# Altium PCB uTCA_MCH_PCB3.pcbdoc (part 11 of 25) (continued)
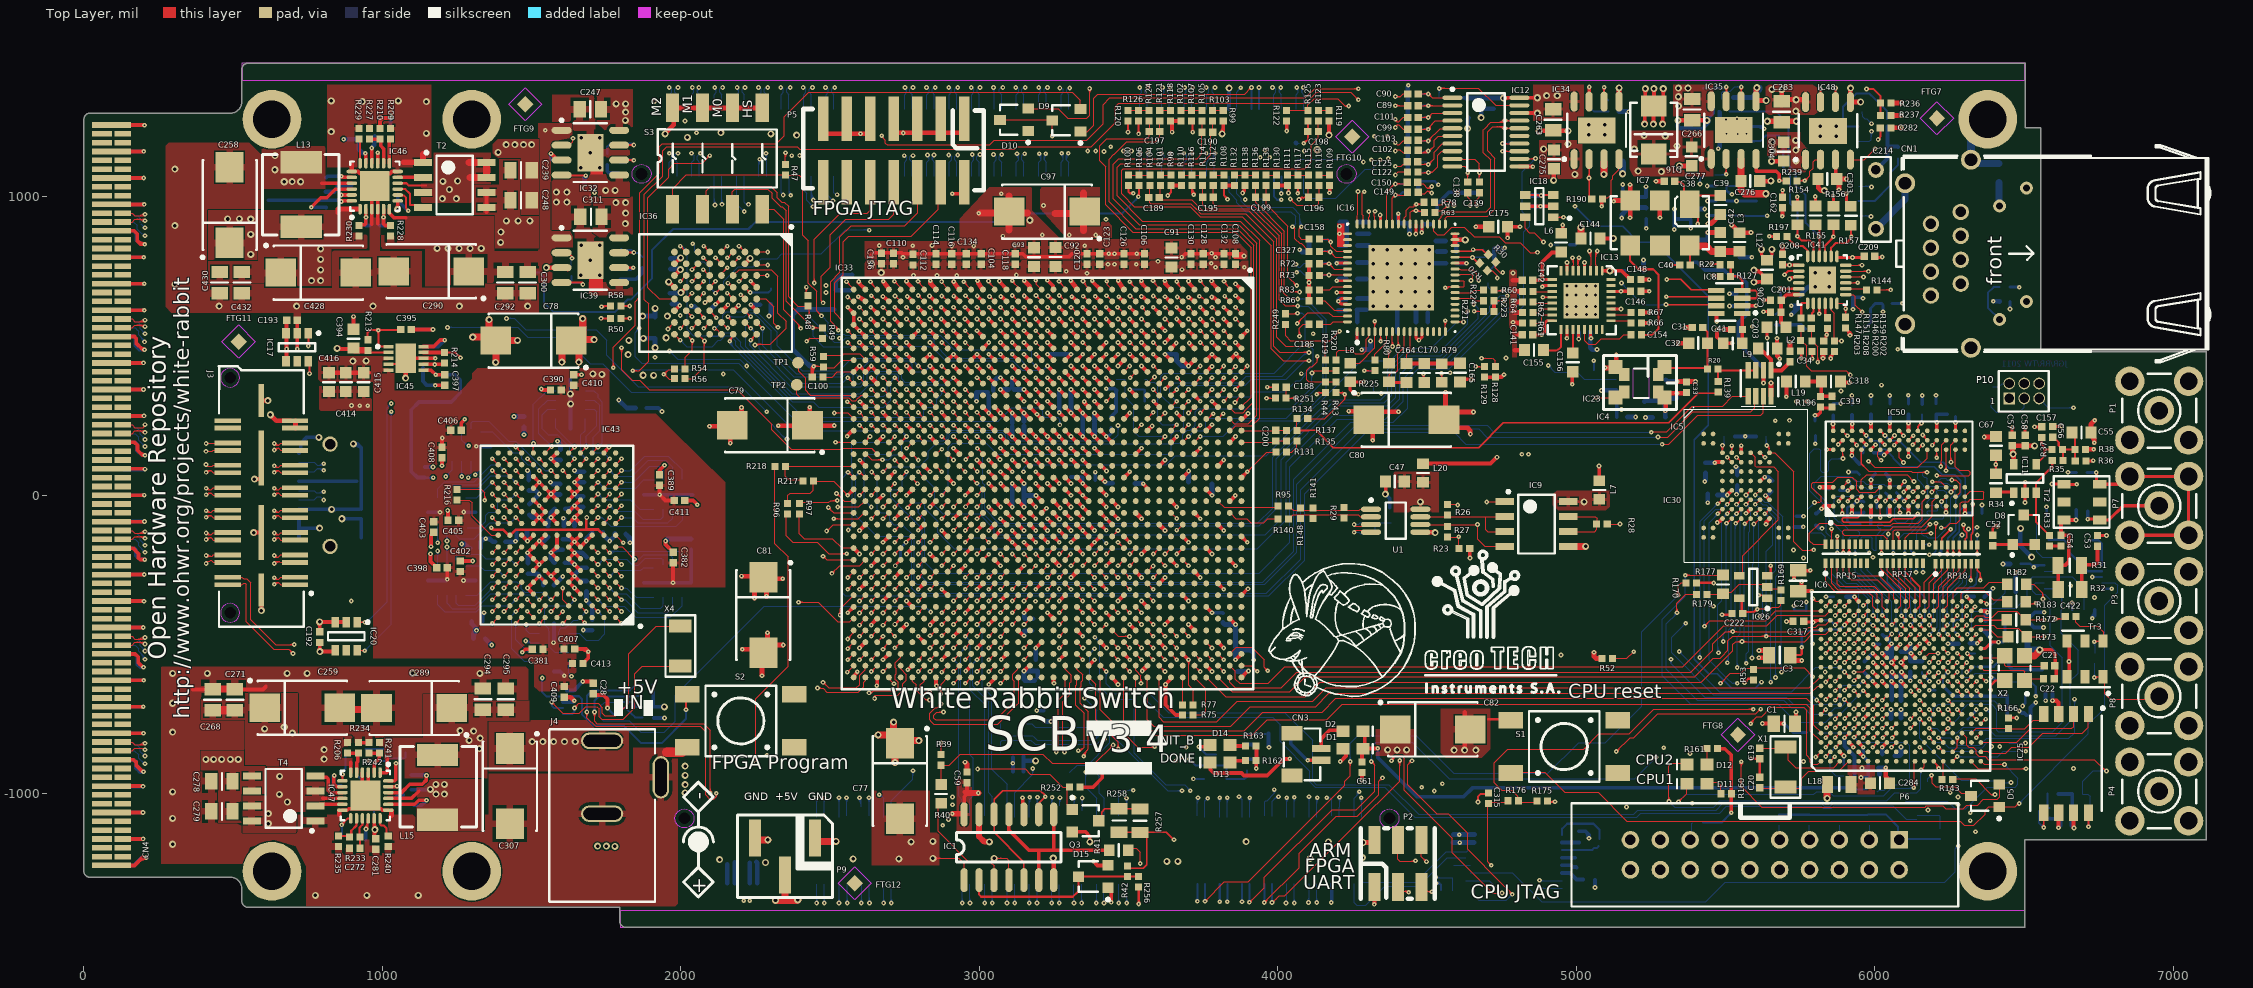
[diagram p0: Top Layer view]
## Nets (pads, with @x,y where several pads share a name; then routed paths per layer and width w, separated by ;. In a path a pad name is that pad's centre, name@x,y a point inside that pad or via, vN(x,y) a via of type N, cw(c..) or ccw(c..) an arc to the next point about the centre after c; other vN are vias at no path point) (continued)
  Top Layer w12.6: CN4.1@92.4,-1240.32 168.62,-1240.32 ; CN4.7@92.52,-1062.99 v1@197.72,-1062.99 ; CN4.10@92.52,-974.41 v1@197.09,-974.41 ; CN4.13@92.52,-885.83 166.53,-885.83 175.75,-895.04 175.75,-905.32 v1@194.65,-924.21 ; CN4.16@92.52,-797.24 v1@199.33,-797.24 ; CN4.19@92.52,-708.66 v1@198.94,-708.66 ; CN4.22@92.52,-620.08 v1@199.96,-620.08 ; CN4.25@92.52,-531.5 171.14,-531.5 181.93,-542.28 181.93,-560.83 188.42,-567.32 ; CN4.28@92.52,-442.91 v1@198.27,-442.91 ; CN4.31@92.52,-354.33 v1@200.71,-354.33 ; CN4.34@92.52,-265.75 v1@202.48,-265.75 ; CN4.37@92.52,-177.17 164.06,-177.17 182.6,-195.71 182.6,-209.8 188.46,-215.67 v1(204.25,-215.67) ; CN4.40@92.52,-88.58 v1@202.52,-88.58 ; CN4.43@92.52,0 v1@202.13,0 ; CN4.46@92.52,88.58 v1@203.58,88.58 ; CN4.49@92.52,177.17 170,177.17 179.53,167.64 179.53,150.43 195.98,133.98 v1(204.92,133.98) ; CN4.52@92.52,265.75 v1@201.38,265.75 ; CN4.55@92.52,354.33 v1@199.57,354.33 ; CN4.58@92.52,442.91 v1@198.94,442.91 ; CN4.61@92.52,531.5 169.76,531.5 175.04,526.22 175.04,509.72 197.36,487.4 v1(203.23,487.4) ; CN4.64@92.52,620.08 v1@203.11,620.08 ; CN4.67@92.52,708.66 v1@202.09,708.66 ; CN4.70@92.52,797.24 v1@200.51,797.24 ; CN4.73@92.52,885.83 168.15,885.83 178.46,875.51 178.46,852.17 ; CN4.76@92.52,974.41 v1@201.85,974.41 ; CN4.79@92.52,1062.99 v1@200.16,1062.99 ; CN4.82@92.52,1151.57 v1@200.39,1151.57 ; CN4.85@92.52,1240.16 v1@202.64,1240.16 ; CN4.4@129.92,-1151.57 v1@198.03,-1151.57 ; 169.25,-1240.16 196.69,-1212.72 v1@208.35,-1212.72 ; 184.05,-1225.36 cw(c209.06,-1250.36) v1@209.06,-1215 ; 186.98,142.98 ccw(c204.92,160.93) v1@204.92,135.55 ; 188.74,-567.32 v1@197.72,-576.3 ; 190.53,494.24 ccw(c203.23,506.94) v1@203.23,488.98 ; 192.06,-921.62 ccw(c199.45,-914.23) v1@199.45,-924.68 ; v1@203.48,842.4 cw(c202.11,875.8) 178.47,852.16 ; v1(203.54,840.83) 189.8,840.83 178.46,852.17 ; v2(568.9,-125) J3.34@594.49,-125 ; v2(570.87,54.13) J3.35@594.49,54.13 ; v2@572.8,-128.9 cw(c582.2,-138.31) 582.2,-125 cw(c582.2,-111.69) v2@572.8,-121.1 ; v2@574.76,50.24 cw(c584.17,40.83) 584.17,54.13 cw(c584.17,67.44) v2@574.76,58.03 ; v2@590.59,-382.91 ccw(c581.18,-373.51) 594.49,-373.51 ccw(c607.8,-373.5) v2@598.39,-382.91 ; v2(594.49,-386.81) J3.33@594.49,-317.5 ; J3.35@594.49,56.1 J3.35@594.49,125 ; J3.36@594.49,317.5 v2@615.57,317.5 ; J3.36@601.46,317.5 cw(c601.46,302.24) v2@612.24,313.03 ; 604.21,317.5 ccw(c604.21,328.86) v2@612.24,320.83 ; v1(714.57,490.16) C193.2@714.57,580.71 ; v2@785.47,-428.11 cw(c773.69,-439.9) 790.35,-439.9 ; v2(789.37,-424.21) IC20.2@878.94,-424.21 ; C192.2@790.35,-457.68 v2@790.35,-425.2 ; v2@793.27,-428.11 cw(c802.68,-437.52) 802.68,-424.21 cw(c802.68,-410.91) v2@793.27,-420.32 ; C394.1@903.54,553.15 v1(903.54,598.42) ; IC45.11@1093.66,458.66 v1(1177.16,458.66) IC45.8@1137.8,458.66 ; C395.1@1096.46,555.12 v1(1169.29,555.12) ; v1@1161.02,-196.85 1161.02,-221.65 C398.1@1181.89,-242.52 ; v1(1162.99,-172.05) 1162.99,-133.86 C403.1@1172.44,-124.41 ; v1(1177.17,368.11) C397.2@1208.66,368.11 ; v1(1200,98.82) C408.2@1200,125.2 ; C405.1@1220.08,-83.86 v1@1220.08,-52.36 ; C402.1@1260.63,-220.08 v1(1302.56,-220.08) ; C406.2@1264.57,217.72 1264.57,242.91 v1(1275.98,254.33) ; v1(1468.5,-525.98) 1478.35,-516.14 C381.2@1502.36,-516.14 ; IC43.C8@1505.91,-330.71 v1(1486.22,-311.02) v1(1525.59,-271.65) IC43.D7@1545.28,-291.34 ; IC43.M8@1505.91,23.62 v1(1525.59,43.31) ; IC43.N8@1505.91,62.99 v1(1525.59,43.31) ; v1(1532.28,355.91) 1535.43,352.76 C390.2@1563.39,352.76 ; v1@1533.4,357.02 ccw(c1543.69,367.31) 1543.69,352.76 ; IC43.E7@1545.28,-251.97 v1(1564.96,-271.65) ; IC43.L7@1545.28,-15.75 v1(1564.96,3.94) ; IC43.D6@1584.65,-291.34 v1(1564.96,-271.65) ; IC43.E6@1584.65,-251.97 v1(1564.96,-271.65) ; IC43.F6@1584.65,-212.6 v1(1564.96,-192.91) IC43.G6@1584.65,-173.23 IC43.H6@1584.65,-133.86 ; IC43.J6@1584.65,-94.49 v1(1564.96,-74.8) IC43.K6@1584.65,-55.12 ; IC43.L6@1584.65,-15.75 v1(1564.96,3.94) ; IC43.M6@1584.65,23.62 v1(1564.96,3.94) ; IC43.E5@1624.02,-251.97 v1@1641.73,-269.68 ; IC43.L5@1624.02,-15.75 1645.67,5.91 IC43.M4@1663.39,23.62 v1(1643.7,43.31) IC43.N4@1663.39,62.99 ; IC43.M5@1624.02,23.62 v1(1643.7,3.94) ; C410.2@1641.34,403.94 v1@1666.93,403.94 ; C407.2@1644.09,-515.35 1681.89,-515.36 v1@1690.16,-523.62 ; IC43.C4@1663.39,-330.71 v1(1643.7,-311.02) IC43.D5@1624.02,-291.34 v1(1643.7,-271.65) IC43.D4@1663.39,-291.34 ; 1664.1,-515.36 cw(c1664.1,-550.07) v1@1688.65,-525.52 ; v1(1671.26,-624.02) C28.1@1704.72,-624.02 ; C413.2@1672.05,-563.39 1689.76,-545.67 v1(1689.76,-524.41) ; IC43.R2@1742.13,143.7 v1(1759.41,160.98) ; C389.2@1928.35,68.5 1928.35,83.86 v1(1944.88,100.39) ; v1(1948.82,-153.54) 1948.82,-165.35 C382.2@1974.41,-190.94 ; v2@1958.66,709.06 cw(c1958.66,691) IC36.H4@1971.43,703.77 ; v2@1960.63,714.57 IC36.H4@1978.35,696.85 ; IC36.H6@1978.35,618.11 v1(1996.06,635.83) ; IC36.H2@1978.35,775.59 v2@1998.03,795.28 ; 1987.95,785.19 cw(c1998.98,774.16) v2@1998.98,789.76 ; C411.2@2012.8,-17.72 2041.34,-17.72 v1(2055.12,-31.5) ; IC36.B2@2214.57,775.59 v2(2232.28,793.31) ; v2@2226.77,793.31 cw(c2213.47,793.31) 2222.87,783.9 cw(c2232.28,774.49) v2@2232.28,787.8 ; v1(2559.06,-393.7) IC33.AP28@2578.74,-374.02 ; v1(2559.06,0) IC33.AP18@2578.74,19.69 ; v1(2559.06,629.92) IC33.AP3@2578.74,610.24 IC33.AP4@2578.74,570.87 ; IC33.AP34@2578.74,-610.24 2578.74,-606.3 v1@2590.55,-594.49 ; IC33.AP8@2578.74,413.39 v1(2598.43,433.07) IC33.AN8@2614.17,417.32 ; IC33.AP4@2582.68,566.93 v1(2598.43,551.18) IC33.AN5@2618.11,531.5 ; 2585.77,-599.26 ccw(c2578.05,-591.54) v1@2588.98,-591.54 ; v1@2595.25,716.16 2595.25,711.84 IC33.AN1@2618.11,688.98 ; v1@2597.32,716.01 ccw(c2612.41,716.01) 2601.74,705.34 ; v1(2598.43,-511.81) IC33.AN31@2618.11,-492.13 ; v1(2598.43,-118.11) IC33.AN21@2618.11,-98.43 ; v1(2600.39,312.99) IC33.AN11@2618.11,295.28 ; IC33.AN8@2618.11,413.39 v1(2637.8,433.07) IC33.AM8@2653.54,417.32 ; v1@2637.76,472.48 IC33.AM7@2657.48,452.76 ; v1(2637.8,-236.22) IC33.AM24@2657.48,-216.54 ; v1@2637.8,590.55 IC33.AM4@2657.48,570.87 ; v1@2657.48,-636.81 IC33.AM34@2657.48,-610.24 ; IC33.AM14@2657.48,177.17 v1(2677.17,196.85) ; v1(2677.17,-354.33) IC33.AL27@2696.85,-334.65 ; v1(2677.17,472.44) IC33.AL7@2692.91,456.69 ; v1(2677.17,551.18) IC33.AL5@2696.85,531.5 ; IC33.AL17@2696.85,59.06 v1(2716.54,78.74) ; v1(2716.54,-78.74) IC33.AK20@2736.22,-59.06 ; v1(2716.54,472.44) IC33.AK7@2736.22,452.76 ; v1(2716.54,590.55) IC33.AK4@2736.22,570.87 ; v1(2716.54,629.92) IC33.AK3@2736.22,610.24 ; IC33.AK30@2736.22,-452.76 v1(2755.91,-433.07) ; v1@2755.46,717.62 2755.46,714.62 2775.59,694.49 IC33.AJ1@2775.59,688.98 ; v1@2755.91,236.22 IC33.AJ13@2775.59,216.54 ; v1(2755.91,472.44) IC33.AJ7@2771.65,456.69 ; v1@2757.23,717.42 ccw(c2768.28,717.42) 2760.47,709.61 ; v1@2757.87,-194.88 IC33.AJ23@2775.59,-177.17 ; v1@2758.73,666.46 IC33.AJ2@2775.59,649.61 ; v1@2763.27,-582.56 IC33.AJ33@2774.96,-570.87 ; IC33.AJ5@2775.59,531.5 v1(2795.28,551.18) ; v1(2795.28,-314.96) IC33.AH26@2814.96,-295.28 ; v1(2795.28,590.55) IC33.AH4@2814.96,570.87 ; IC33.AH16@2814.96,98.43 v1(2834.65,78.74) ; IC33.AH7@2814.96,452.76 v1@2833.7,471.5 ; v1(2833.86,471.5) IC33.AG7@2852.2,453.15 ; v1(2834.65,-39.37) IC33.AG19@2854.33,-19.68 ; v1(2834.65,393.7) IC33.AG9@2854.33,374.02 ; v1(2834.65,551.18) IC33.AG5@2854.33,531.5 ; v1(2835,-435) 2835,-433.43 2834.65,-433.07 IC33.AG29@2854.33,-413.39 ; v1(2874.02,-551.18) IC33.AF32@2893.7,-531.5 ; v1(2874.02,-118.11) IC33.AF22@2893.7,-137.8 ; v1@2874.02,275.59 IC33.AF12@2893.7,255.91 ; v1@2874.02,590.55 IC33.AF4@2893.7,570.87 ; v1@2874.2,629.73 IC33.AF3@2893.7,610.24 ; IC33.AF7@2893.7,452.76 v1(2913.39,472.44) IC33.AE7@2929.13,456.69 ; v1(2913.39,157.48) IC33.AE15@2933.07,137.8 ; v1(2913.39,551.18) IC33.AE5@2933.07,531.5 ; v1@2913.81,668.87 IC33.AE2@2933.07,649.61 ; IC33.AE25@2933.07,-255.91 v1(2952.76,-236.22) ; v1@2952.76,-393.7 IC33.AD28@2972.44,-374.02 ; v1(2952.76,0) IC33.AD18@2972.44,19.69 ; v1@2952.76,590.55 IC33.AD4@2972.44,570.87 ; IC33.AD7@2972.44,452.76 v1(2992.13,472.44) IC33.AC7@3007.87,456.69 ; v1(2992.13,-511.81) IC33.AC31@3011.81,-492.13 ; v1(2992.13,-118.11) IC33.AC21@3011.81,-98.43 ; v1(2992.13,551.18) IC33.AC5@3011.81,531.5 ; IC33.AC11@3015.75,291.34 v1(3031.5,275.59) IC33.AB12@3051.18,255.91 ; v1(3031.5,-633.86) 3051.18,-614.17 IC33.AB34@3051.18,-610.24 ; v1(3031.5,-39.37) IC33.AB20@3051.18,-59.06 ; v1(3031.5,39.37) IC33.AB18@3051.18,19.69 ; v1(3031.5,118.11) IC33.AB16@3051.18,98.43 ; v1(3031.5,196.85) IC33.AB14@3051.18,177.17 ; v1(3031.5,590.55) IC33.AB4@3051.18,570.87 ; v1@3031.5,629.92 IC33.AB3@3051.18,610.24 ; v1(3031.54,472.44) IC33.AB7@3051.18,452.76 ; v1(3031.73,433.15) IC33.AB8@3051.18,413.7 ; IC33.AB24@3051.18,-216.54 v1(3070.87,-236.22) ; IC33.AB22@3051.18,-137.8 v1(3070.87,-118.11) ; v1@3068.59,718.03 ccw(c3078.1,718.03) 3071.38,711.31 ; v1@3069.31,713.38 IC33.AA1@3092.93,689.76 ; v1(3070.87,-78.74) IC33.AA21@3090.55,-98.43 ; v1(3070.87,393.7) IC33.AA9@3090.55,374.02 ; v1(3070.87,472.44) IC33.AA7@3086.61,456.69 ; v1(3070.87,551.18) IC33.AA5@3090.55,531.5 ; v1(3070.94,78.7) IC33.AA17@3090.55,59.06 ; v1@3071.06,157.28 IC33.AA15@3090.55,137.8 ; v1@3071.26,-353.94 IC33.AA27@3090.55,-334.65 ; v1@3071.82,664.26 cw(c3071.82,654.4) 3078.79,661.37 ; v1@3073.61,666.54 IC33.AA2@3090.55,649.61 ; IC33.AA19@3090.55,-19.68 v1(3110.24,-39.37) ; IC33.AA13@3094.49,212.6 v1(3110.24,196.85) IC33.Y14@3129.92,177.17 ; IC33.AA11@3094.49,291.34 v1(3110.24,275.59) IC33.Y12@3129.92,255.91 ; v1(3110.24,-118.11) IC33.Y22@3125.98,-133.86 ; v1(3110.24,39.37) IC33.Y18@3125.98,23.62 ; v1(3110.24,118.11) IC33.Y16@3125.98,102.36 ; v1(3110.24,433.07) IC33.Y8@3129.92,413.39 ; v1(3110.24,472.44) IC33.Y7@3129.92,452.76 ; v1(3110.24,511.81) IC33.Y6@3129.92,492.13 ; v1(3110.24,551.18) IC33.Y5@3129.92,531.5 ; v1(3110.24,590.55) IC33.Y4@3129.92,570.87 ; IC33.Y30@3129.92,-452.76 v1@3149.6,-472.43 ; IC33.Y20@3129.92,-59.06 v1@3149.45,-78.58 ; IC33.Y10@3129.92,334.65 v1(3149.61,314.96) ; v1(3149.61,-588.58) IC33.W33@3167.32,-570.87 ; v1(3149.61,-157.48) IC33.W23@3169.29,-177.17 ; v1(3149.61,393.7) IC33.W9@3169.29,374.02 ; v1(3149.61,472.44) IC33.W7@3165.35,456.69 ; v1(3149.61,551.18) IC33.W5@3169.29,531.5 ; v1@3150.16,156.93 IC33.W15@3169.29,137.8 ; IC33.W21@3169.29,-98.43 v1(3188.98,-118.11) ; IC33.W19@3169.29,-19.68 v1(3188.98,-39.37) ; IC33.W13@3173.23,212.6 v1(3188.98,196.85) IC33.V14@3208.66,177.17 ; IC33.W11@3173.23,291.34 IC33.V12@3208.66,255.91 ; v1(3188.98,-314.96) IC33.V26@3208.66,-295.28 ; v1(3188.98,118.11) IC33.V16@3204.72,102.36 ; v1(3188.98,354.33) IC33.V10@3208.66,334.65 ; v1(3188.98,590.55) IC33.V4@3208.66,570.87 ; v1(3188.98,629.92) IC33.V3@3208.66,610.24 ; v1(3189.45,472.6) IC33.V7@3208.66,453.39 ; IC33.V20@3208.66,-59.06 v1@3223.98,-43.74 ; IC33.V22@3209.17,-137.8 v1(3228.66,-157.28) ; v1@3227.54,720.65 3246.57,701.62 IC33.U1@3246.57,685.71 ; v1(3228.31,314.88) IC33.U11@3247.91,295.28 ; v1(3228.35,393.7) IC33.U9@3248.03,374.02 ; v1(3228.35,472.44) IC33.U7@3244.09,456.69 ; v1(3228.35,551.18) IC33.U5@3248.03,531.5 ; v1(3228.39,-78.78) IC33.U21@3248.03,-98.43 ; v1@3228.43,157.4 IC33.U15@3248.03,137.8 ; v1@3228.52,-393.88 IC33.U29@3248.03,-413.39 ; v1@3229.44,668.2 IC33.U2@3248.03,649.61 ; IC33.U19@3248.03,-19.68 v1@3267.72,-39.37 ; IC33.U13@3251.97,212.6 v1(3267.72,196.85) IC33.T14@3287.4,177.17 ; v1(3267.72,-551.18) IC33.T32@3287.4,-531.5 ; v1(3267.72,-118.11) IC33.T22@3283.46,-133.86 ; v1@3267.72,-40.35 v1@3270.2,-42.83 ; v1(3267.72,118.11) IC33.T16@3283.46,102.36 ; v1(3267.72,354.33) IC33.T10@3287.4,334.65 ; v1(3267.72,590.55) IC33.T4@3287.4,570.87 ; v1@3267.8,277.36 IC33.T12@3287.4,257.76 ; IC33.T20@3287.4,-59.06 v1@3307.05,-78.7 ; IC33.T8@3287.4,413.39 v1(3307.09,393.7) IC33.R9@3326.77,374.02 ; IC33.T7@3287.4,452.76 v1(3307.09,472.44) ; v1(3307.09,551.18) IC33.R5@3326.77,531.5 ; v1@3307.17,157.4 IC33.R15@3326.77,137.8 ; IC33.R23@3326.77,-177.17 v1(3346.46,-196.85) ; IC33.R21@3326.77,-98.43 v1(3346.46,-118.11) IC33.P22@3362.2,-133.86 ; IC33.R19@3326.77,-19.68 v1(3346.46,-39.37) IC33.P20@3366.14,-59.06 ; IC33.R17@3326.77,59.06 v1(3346.46,39.37) IC33.P18@3362.2,23.62 ; IC33.R11@3326.77,295.28 v1@3345.47,276.57 ; IC33.R7@3326.85,452.76 v1(3346.5,472.4) ; IC33.R13@3330.71,212.6 v1(3346.46,196.85) IC33.P14@3366.14,177.17 ; v1(3346.46,118.11) IC33.P16@3362.2,102.36 ; v1(3346.46,275.59) IC33.P12@3366.14,255.91 ; v1(3346.46,354.33) IC33.P10@3366.14,334.65 ; v1(3346.46,590.55) IC33.P4@3366.14,570.87 ; v1(3346.46,629.92) IC33.P3@3366.14,610.24 ; IC33.P28@3366.14,-374.02 v1(3385.83,-393.7) ; IC33.P7@3366.14,452.76 v1(3385.83,472.44) ; v1@3379.6,714.89 IC33.N1@3405.51,688.98 ; v1(3385.83,157.48) IC33.N15@3405.51,137.8 ; v1(3385.83,314.96) IC33.N11@3405.51,295.28 ; v1(3385.83,393.7) IC33.N9@3405.51,374.02 ; v1(3385.83,433.07) IC33.N8@3405.51,413.39 ; v1(3385.83,551.18) IC33.N5@3405.51,531.5 ; v1@3388.99,666.12 IC33.N2@3405.51,649.61 ; IC33.N31@3405.51,-492.13 v1@3424.8,-511.42 ; IC33.N19@3405.51,-19.68 v1@3423.23,-37.4 ; IC33.N17@3405.51,59.06 v1@3420.49,44.08 ; IC33.N7@3405.51,452.76 v1@3425,472.24 ; IC33.N21@3405.83,-98.43 v1@3424.96,-117.56 ; IC33.N13@3409.45,212.6 v1(3425.2,196.85) IC33.M14@3444.88,177.17 ; v1(3425.2,-236.22) IC33.M24@3444.88,-216.54 ; v1(3425.2,590.55) IC33.M4@3444.88,570.87 ; IC33.M34@3444.88,-612.2 v1@3464.57,-631.89 ; IC33.M7@3444.88,452.76 v1@3464.45,472.32 ; IC33.M20@3445.08,-59.06 v1(3464.53,-78.5) ; v1(3464.57,-354.33) IC33.L27@3484.25,-334.65 ; v1(3464.57,433.07) IC33.L7@3484.25,452.76 ; v1(3464.57,551.18) IC33.L5@3484.25,531.5 ; IC33.L17@3484.58,59.06 v1(3504.1,78.58) ; v1(3503.94,-433.07) IC33.K30@3523.62,-452.76 ; v1(3503.94,354.33) IC33.K10@3523.62,334.65 ; v1(3503.94,590.55) IC33.K4@3523.62,570.87 ; v1(3503.94,629.92) IC33.K3@3523.62,610.24 ; v1@3504.25,472.13 IC33.K7@3523.62,452.76 ; v1@3541.5,666.82 3545.78,666.82 IC33.J2@3562.99,649.61 ; v1@3542.69,664.46 cw(c3542.69,651.29) 3552,660.6 ; v1@3542.72,718.54 3542.72,710.23 IC33.J1@3562.99,689.96 ; v1(3543.31,-196.85) IC33.J23@3562.99,-177.17 ; v1(3543.31,433.07) IC33.J8@3562.99,413.39 ; v1(3543.31,472.44) IC33.J7@3559.06,456.69 ; v1(3543.31,551.18) IC33.J5@3562.99,531.5 ; v1@3544.26,718.75 ccw(c3568.56,718.75) 3551.38,701.57 ; IC33.J13@3562.99,216.54 v1(3578.74,232.28) ; v1(3582.67,472.44) IC33.H7@3602.36,452.76 ; IC33.H26@3602.36,-295.28 v1(3622.05,-275.59) ; IC33.H16@3602.36,98.43 v1(3622.05,118.11) ; IC33.H4@3602.36,570.87 v1(3622.05,551.18) ; v1@3621.39,718.12 3621.39,709.32 IC33.G1@3641.73,688.98 ; v1(3622.05,-433.07) IC33.G29@3641.73,-413.39 ; v1(3622.05,472.44) IC33.G7@3637.8,456.69 ; v1(3622.05,511.81) IC33.G5@3641.73,531.5 ; v1@3623.03,718.54 ccw(c3649.27,718.54) 3630.72,699.99 ; IC33.G19@3641.73,-19.68 v1(3661.42,-39.37) ; R98.1@3641.73,1037.4 R110.1@3676.18,1037.4 ; R118.1@3644.92,1253.94 R102.1@3675.2,1253.94 ; v1(3645.67,1216.54) R118.1@3645.67,1248.03 ; v1(3661.42,275.59) IC33.F12@3681.1,255.91 ; v1(3661.42,590.55) IC33.F4@3681.1,570.87 ; v1(3661.42,629.92) IC33.F3@3681.1,610.24 ; IC33.F32@3681.1,-531.5 v1(3700.79,-551.18) ; IC33.F22@3681.1,-137.8 v1(3700.79,-157.48) ; IC33.F7@3681.1,452.76 v1(3700.79,433.07) IC33.E7@3720.47,452.76 ; v1@3699.68,716.45 cw(c3693.89,708.98) 3703.34,708.98 ; v1(3700.79,551.18) IC33.E5@3720.47,531.5 ; v1@3700.85,662.14 cw(c3700.85,651.72) 3708.22,659.08 ; v1@3702.1,664.86 3702.44,664.86 3717.69,649.61 IC33.E2@3720.47,649.61 ; v1@3702.21,717.69 ccw(c3719.51,717.69) 3707.28,705.46 ; v1@3703.34,716.78 3703.34,709.4 3719.99,692.75 IC33.E1@3719.99,688.39 ; IC33.E25@3720.47,-255.91 v1(3740.16,-275.59) ; IC33.E15@3720.47,137.8 v1(3740.16,157.48) ; v1(3740.16,590.55) IC33.D4@3759.84,570.87 ; IC33.D28@3759.84,-374.02 v1(3779.53,-393.7) ; IC33.D18@3759.84,19.69 v1(3779.53,0) ; IC33.D8@3759.84,413.39 v1@3779.52,433.06 ; IC33.D7@3763.78,456.69 v1(3779.53,472.44) IC33.C7@3799.21,452.76 ; v1@3776.7,716.78 cw(c3772.37,709.72) 3780.65,709.72 ; v1@3779.09,718.12 ccw(c3794.17,718.12) 3783.51,707.46 ; v1(3779.53,314.96) IC33.C11@3799.21,295.28 ; v1(3779.53,551.18) IC33.C5@3799.21,531.5 ; v1@3780.65,716.94 3780.65,710.32 3798.09,692.88 IC33.C1@3798.09,686.8 ; IC33.C31@3799.21,-492.13 v1(3818.9,-511.81) ; IC33.C21@3799.21,-98.43 v1(3818.9,-118.11) ; v2@3809.09,1214.53 ccw(c3790.18,1233.44) 3816.93,1233.44 ; v2@3816.93,1214.57 3816.93,1242.13 ; v1(3818.9,590.55) IC33.B4@3838.58,570.87 ; v1(3818.9,629.92) IC33.B3@3838.58,610.24 ; R108.1@3818.9,1037.4 R132.1@3856.3,1037.4 ; IC33.B24@3838.58,-216.54 v1(3858.27,-236.22) ; IC33.B14@3838.58,177.17 v1(3858.27,196.85) ; IC33.B7@3842.52,456.69 3858.27,472.44 IC33.A7@3877.95,452.76 ; v1(3858.27,511.81) IC33.A6@3877.95,492.13 ; v1@3858.84,668.71 IC33.A2@3877.95,649.61 ; v1@3858.84,708.09 IC33.A1@3877.95,688.98 ; v1@3861.57,474 ccw(c3873.32,474) 3865.02,465.69 ; IC33.A34@3877.95,-610.24 v1@3897.64,-590.55 ; IC33.A17@3877.95,59.06 v1@3897.59,78.7 ; IC33.A5@3877.95,531.5 v1@3897.15,550.69 ; R130.1@3996.06,1037.4 R111.1@4034.45,1037.4 ; v1(4029.53,1220.47) 4029.53,1242.13 ; v1(4100.39,-887.8) CN3.1@4145.67,-887.8 ; R86.1@4104.33,651.57 R83.1@4104.33,687.01 R72.2@4104.33,775.59 ; v2@4167.36,1210.59 ccw(c4157.95,1220) 4171.26,1220 ccw(c4184.57,1220) v2@4175.16,1210.59 ; v2(4171.26,1206.69) 4171.26,1242.13 ; v1(4281.5,-954.72) C61.1@4281.5,-929.13 ; C165.1@4614.56,388.71 v1@4645.8,388.71 ; v1(4769.69,862.2) C175.2@4769.69,899.61 v1(4811.02,899.61) ; IC12.11@4809.06,1101.38 v1@4853.35,1101.38 ; IC18.5@4828.74,968.5 v1(4879.92,968.5) IC18.2@4915.35,968.5 ; C146.1@5216.54,683.07 v1(5244.09,683.07) ; R66.2@5218.5,576.77 5239.77,576.77 v1@5240,577 ; R67.2@5218.5,612.2 5239.8,612.2 5240,612 5240.18,612.18 v1(5244.77,612.18) ; C148.1@5220.47,722.44 v1(5244.09,722.44) ; IC8.8@5469.06,608.9 5469.06,582.94 v1(5470,582) ; v1@5471.66,-90.06 ccw(c5471.66,-76.72) 5481.09,-86.15 ; v1@5475.61,-91.63 IC30.K3@5489.39,-77.85 ; IC30.C5@5552.38,142.62 v1(5552.38,166.24) ; IC30.F7@5615.37,48.13 v1(5631.02,60.75) ; v1@5627.45,-765.11 v1(5694.92,-765.11) ; v1(5635.06,-97.54) 5635.06,-91.19 5646.87,-79.38 IC30.K8@5646.87,-77.85 ; v1@5636.63,-97.54 cw(c5655.75,-97.54) IC30.K8@5642.23,-84.02 ; v1@5729.18,-283.37 C2.1@5729.18,-261.62 ; C2.1@5742.42,-252.79 v1@5784.33,-252.79 ; IC6.C2@5882.6,-859.7 v1(5896.38,-873.48) ; C318.1@5894.49,377.51 v1@5914.94,377.51 ; IC6.D3@5914.09,-828.2 v1@5929.84,-843.95 ; v1(5992.83,-623.48) IC6.G9@6008.58,-639.23 ; v1(6024.33,-623.48) IC6.H9@6040.08,-639.23 ; v1(6024.33,-528.99) IC6.H12@6040.08,-544.74 ; v1@6026.3,-593.95 IC6.H10@6040.08,-607.73 ; IC6.H13@6040.08,-513.24 v1(6055.81,-497.49) ; v1(6055.83,-623.48) IC6.J9@6071.58,-639.23 ; v1@6055.83,-591.98 IC6.J10@6071.58,-607.73 ; IC6.J12@6071.42,-544.9 v1(6055.83,-560.49) IC6.J11@6071.58,-576.24 ; IC6.J13@6071.58,-513.24 v1(6085.35,-499.46) ; v1(6087.32,-560.49) IC6.K11@6103.07,-576.24 ; v1@6087.32,-560.21 IC6.K12@6103.31,-544.23 ; v1@6665.59,-1113.59 IC25.7@6665.59,-1059.08 ; v1(1525.59,43.31) IC43.M7@1545.28,23.62 v1(1564.96,3.94)
  Top Layer w15.75: 855.04,-1070.75 IC47.12@855.04,-1057.36 ; IC46.19@897.64,1087.52 897.64,1113.27 ; 1030.71,-1073.11 IC47.19@1030.71,-1056.85 ; v2@1074.7,395.26 ccw(c1064.93,405.03) 1078.74,405.03 ; v2@1078.74,393.74 IC45.11@1078.74,458.66 ; C409.2@1609.45,-676.38 1630.63,-676.38 v1@1642.2,-687.95 ; v2@1949.17,1213.9 1975.87,1240.59 1975.87,1297.64 S3.7@2072.44,1297.64 S3.6@2172.44,1297.64 S3.5@2272.44,1297.64 ; v1(2095.87,231.06) C79.2@2131.3,231.06 ; v1(2165.28,174.61) C79.2@2165.28,192.05 ; C79.2@2203.11,259.69 v1@2203.11,294.01 ; v1(2205.28,-516.1) C81.2@2239.02,-516.1 ; v1(2272.01,-604.8) C81.2@2272.01,-564.21 ; C81.2@2290.47,-484.72 v1(2290.47,-460.79) ; C81.2@2315.51,-501.65 v1(2343.27,-501.65) ; P5.13@2468.5,1210.63 P5.9@2624.21,1210.63 ; v1(2594.48,665.35) IC33.AN2@2618.31,650.32 ; v1@2678.12,715.57 2681.1,712.6 IC33.AL1@2696.5,690.39 ; P5.7@2710.75,1214.57 P5.1@2941.57,1214.57 ; v1@2835.2,718.93 2835.2,710.35 2855.49,690.06 IC33.AG1@2855.49,687.33 ; v1(2835.51,718.93) ccw(c2856.97,718.93) 2841.8,703.75 ; v1@2913.24,715.55 IC33.AE1@2932.2,689.68 ; C59.1@2958.78,-927.44 2958.78,-900.78 v1(2952,-894) ; 2958.78,-910.37 ccw(c2935.63,-910.37) v1(2952,-894) ; 2958.78,-903.59 ccw(c2948.61,-903.59) v1(2952,-894) ; v1@2996.06,712.6 IC33.AC1@3010.98,689.06 ; v1@3150.65,718.33 3169.21,699.77 IC33.W1@3169.21,690.35 ; v2@3244.68,-1218.2 cw(c3234.22,-1228.67) 3249.02,-1228.67 ; v2@3248.03,-1216.54 3249.02,-1217.52 IC1.7@3249.02,-1289.25 ; v1@3307.36,-275.59 IC33.R25@3327.8,-255.16 ; v1@3308.24,716.5 IC33.R1@3326.81,690.35 ; v1@3465.63,716.83 IC33.L1@3481.85,692.87 ; IC33.K20@3523.62,-59.06 v1(3543.31,-78.74) ; v1@3545.51,-588.35 IC33.J33@3562.99,-570.87 ; v2(4285.43,-1163.39) 4321.58,-1163.39 P2.2@4326.05,-1158.92 ; U1.5@4477.4,-123.68 v2@4525.72,-123.68 ; C80.2@4561.26,287.72 v1(4561.26,344.87) ; C80.2@4593.46,225.63 4635.35,225.63 ; 4608.58,278.66 v1(4655.12,278.66) ; v2(4625.67,-853.66) 4625.67,-727.68 ; 4635.35,226.14 4644.91,216.59 v1(4644.91,205.08) ccw(c4617.11,205.08) 4636.76,224.73 ; 4787.36,720.47 C142.1@4818.9,720.47 ; v1(4787.39,651.57) ccw(c4796.89,661.07) 4796.89,647.64 ; 4789.25,612.2 R62.2@4818.9,612.2 ; v1@4790.63,647.64 R64.2@4818.9,647.64 ; 4791.57,683.07 R60.2@4818.9,683.07 ; 4792.8,537.4 C141.1@4818.9,537.4 ; v1@4792.8,576.77 R61.2@4818.9,576.77 ; 4793.54,486.22 C155.2@4826.77,486.22 ; v2(4875,1221) v2(4972,1221) ; v2(4924,1055) 4924,1092.46 C275.2@4925.39,1093.86 ; v1@5096.69,426.44 5133.78,426.44 v1@5133.78,469.83 ; v1@5127.12,987.12 IC7.3@5180.25,987.12 ; IC34.5@5142.8,1318.83 v2@5142.8,1365.2 ; v1@5180.25,930.25 IC7.3@5180.25,987.12 ; v1@5180.25,1039.75 IC7.3@5180.25,987.12 ; v1(5267,1052) C38.1@5294.09,1052.01 ; v1@5337.85,380.74 v1@5398.3,380.74 ; v2(5340,1256) v2(5437,1256) ; v1@5341.59,509.41 C32.1@5376.69,509.41 ; v2(5345,1103) C277.2@5385.31,1103 ; v1@5365.05,562.05 C31.1@5388.15,562.05 ; v1(5440,880) 5481.97,880 C42.2@5482.13,879.84 ; 5459.69,918.16 cw(c5440,937.85) v1(5440,910) 5451.54,910 C39.1@5482.4,940.87 ; v1(5494,555) 5494.16,555.16 C41.1@5520.79,555.16 ; IC35.5@5600.86,1322.19 IC35.5@5601.59,1322.19 ; IC35.5@5601.86,1319.87 5601.57,1320.15 IC35.5@5601.59,1322.19 ; IC35.5@5601.86,1349.96 cw(c5620.22,1349.79) v2@5607.36,1362.89 ; v2@5601.98,1362.79 IC35.5@5601.59,1322.19 ; v1@5611.5,-544 C3.1@5638,-544 ; v1(5612.12,-519.98) C3.1@5638.65,-519.98 ; C276.1@5614.53,1052.4 v2@5650.4,1052.4 ; v2(5635.57,1322.46) 5635.31,1322.19 IC35.5@5601.59,1322.19 ; v1(5652,376) 5652.17,375.83 IC5.8@5652.17,331.69 ; v2(5654,1119) C304.2@5694.31,1119 ; v1(5715,513) 5715.51,512.49 C34.1@5715.51,482.32 ; C303.1@5810.4,1052.15 5810.4,1029.47 5819.91,1019.96 v2@5829.76,1019.96 ; v1@5816.9,26.72 IC50.A3@5860.67,26.72 ; v2@5917.86,1367.36 IC48.5@5917.86,1317.19 5952.31,1317.19 v2(5952.57,1317.46) ; v1(6036.14,-912.85) 6036.14,-943.36 6046.06,-953.28 6052.15,-953.28 C284.1@6046.61,-958.82 ; C282.1@6053.61,1231.01 v1@6087.99,1231.01 ; R236.1@6054.59,1314.27 v1@6088.73,1314.27 ; v1@6367,195 6367.35,195.35 C67.1@6405.94,195.35 ; C55.1@6724.49,201.36 cw(c6699.13,176) v1(6735,176) 6735,190.86 6723.86,202 C55.1@6723.86,210.12 6723.86,237.86 v1(6737,251)
  Top Layer w19.68: 1071.38,1115.51 T2.1@1113.78,1115.51 ; T2.1@1135.83,1114.37 1135.83,1142.95 ; IC1.13@2999.02,-1069.25 2999.02,-1143.29 3016.74,-1161.01 v2@3036.43,-1161.01 ; v2(5640,1253) v2(5737,1253)
  Top Layer w23.62: C268.2@431.1,-649.61 C271.2@505.9,-649.61 ; C259.2@858.27,-718.5 C289.2@965.12,-718.5 ; v2(1302.68,529.57) C78.2@1355.94,529.57 ; C78.2@1357.48,549.72 v2(1357.48,588.11) ; v2@1380.43,446.65 C78.2@1380.43,518.27 v2@1441.53,518.27 ; P9.3@2249.2,-1154.1 2250.61,-1155.51 2290.66,-1155.51 v2(2291.75,-1154.42) ; P9.1@2456.02,-1160.55 2457.12,-1159.45 v2(2519.68,-1159.45) ; v1@3002.91,945.2 3160.68,945.2 ; 3099.3,888.04 3099.3,1002.53 ; IC9.5@4972.84,-171.6 v2@5030.55,-171.6 ; C144.2@5015.75,860.24 v2@5015.75,896.38 ; X2.2@6501.65,-537.93 6534.61,-537.93 v2@6550.94,-521.6
  Top Layer w31.5: 1953.16,-861.02 S2.1@2005.12,-861.02
  Bottom Layer w3.94: 4061.77,1179.72 4071.34,1179.72 ; R226.1@4320.87,377.95 4320.87,348.86 4327.66,342.07 4345.49,342.07 v1@4346.39,342.97 ; 4328.53,342.07 cw(c4328.53,322.63) v1@4342.28,336.38 ; 4335.87,342.07 ccw(c4335.87,351.14) v1@4342.28,344.73 ; 4338.04,342.07 cw(c4338.04,332.13) v1@4345.06,339.16 ; C10.1@6511.22,-549.67 C10.1@6511.95,-550.4 ; 6516.5,-516.44 6518.25,-518.19
  Bottom Layer w6.89: v1(3716.94,-950.22) 3750.68,-950.22 Q2.2@3751.6,-951.14 ; C45.1@4462.32,-99.44 C45.1@4462.76,-99 ; v1@4528.33,-1297.71 cw(c4533.76,-1305.64) 4540.56,-1298.84 ; v1@4532.22,-1303.39 cw(c4538.53,-1312.61) 4546.43,-1304.71 ; v1@4532.85,-1296.61 ccw(c4539.33,-1290.13) 4539.33,-1299.29 ; v1@4532.95,-1302.77 cw(c4541.01,-1310.36) 4541.01,-1299.29 ; v1@4535.81,-1299.29 4541.01,-1299.29 ; R184.2@4546.69,-1322.47 4546.43,-1322.22 4546.43,-1304.71 ; R222.1@4705.17,748.12 4705.17,749.17 4724.6,768.6 4724.6,789.4 R94.1@4724.39,792.99 ; 4541.01,-1299.29 4546.43,-1304.71
  Bottom Layer w7: v2@5437,1255 v2(5437,1256) 5460.29,1279.29 R186.1@5460.29,1327.21 ; v2@5437,1264.31 ccw(c5437,1284.38) 5451.19,1270.19 ccw(c5465.38,1256) v2@5445.31,1256 ; v1(6310,-530) C24.2@6335.83,-530 ; v1@6313.09,-533.09 cw(c6320.56,-540.56) 6320.56,-530 cw(c6320.56,-519.44) v1@6313.09,-526.91 ; v1@6386.91,-554.91 ccw(c6378.39,-546.39) C25.2@6390.43,-546.39 ; v1(6390,-558) 6390.43,-557.57 C25.2@6390.43,-535.53 ; 6390.43,-548.49 ccw(c6399.51,-548.49) v1@6393.09,-554.91
  Bottom Layer w7.87: R71.2@4476.67,1055.9 4480.35,1052.22 4525.83,1052.22 v1(4537.78,1040.27) ; v1@4533.84,1040.27 ccw(c4524.34,1040.27) 4531.06,1046.99 ccw(c4537.78,1053.71) v1@4537.78,1044.21
  Bottom Layer w8: v1(3503.94,354.33) 3550.59,354.33 3553.62,351.3 IC19.3@3553.62,313.9 ; v1@3506.68,351.59 cw(c3513.29,344.98) 3513.29,354.33 cw(c3513.29,363.68) v1@3506.68,357.07 ; v1@5726.35,-372.73 cw(c5719.95,-379.13) 5729,-379.13 ; 5729,-379.56 cw(c5738.66,-379.56) v1@5731.83,-372.73 ; v1@5729,-370.57 5729,-383 5732,-386 C4.1@5768.64,-386 ; v1@5767.03,-360.57 cw(c5759.86,-367.74) 5770,-367.74 ; C4.1@5770,-387.36 v1@5770,-357 ; 5770,-366.63 cw(c5778.57,-366.63) v1@5772.51,-360.57 ; C14.2@5831.42,-418.76 5851.09,-418.76 v1(5866.84,-434.5) ; v1(5836,-340) C8.2@5862.27,-340 ; v1@5838.74,-342.74 cw(c5845.35,-349.35) 5845.35,-340 cw(c5845.35,-330.65) v1@5838.74,-337.26 ; v1@5862.96,-434.5 ccw(c5853.61,-434.5) 5860.23,-427.89 ccw(c5866.84,-421.28) v1@5866.84,-430.63 ; v1@5893.64,-876.22 cw(c5887.03,-882.83) 5896.38,-882.83 cw(c5905.73,-882.83) v1@5899.12,-876.22 ; C18.2@5896.38,-903.01 v1(5896.38,-873.48) ; 5932.68,-27.32 ccw(c5924.36,-19) v1@5936.13,-19 ; v1@5941,-19 5922,-38 5912,-38 5907.19,-42.81 5907.19,-84.19 5919.87,-96.87 C324.2@5950.79,-96.87 ; C16.2@6157.76,-592.22 6157.76,-597.76 v1(6183,-623) ; v1@6179.13,-623 ccw(c6169.77,-623) 6176.39,-616.39 ccw(c6183,-609.77) v1@6183,-619.13 ; v1(6182,-653) C285.2@6201.69,-653 ; v1@6184.74,-655.74 cw(c6191.35,-662.35) 6191.35,-653 cw(c6191.35,-643.65) v1@6184.74,-650.26 ; v1@6389,-613.87 cw(c6389,-642.94) R3.2@6409.55,-622.39 ; v1(6389,-610) 6397.17,-610 ; v1@6392,-612.45 cw(c6397.17,-616.67) 6397.17,-610 ; v1@6392,-607.55 ccw(c6397.17,-603.33) 6397.17,-610 ; R3.2@6412.64,-625.47 6397.17,-610 ; v1(6495,-706) 6504.25,-696.75 C218.1@6504.25,-668.74 ; v1@6495,-702.13 ccw(c6495,-692.77) 6501.61,-699.39 ccw(c6508.23,-706) v1@6498.87,-706 ; v1(6728,-274) 6728.27,-273.73 IC2.3@6759.96,-273.73 ; v1@6730.74,-276.74 cw(c6738,-284) 6738,-273.73 ; v1@6730.74,-271.26 ccw(c6736.71,-265.29) 6736.71,-273.73 ; IC2.5@6759.96,-313.13 6793.87,-313.13 v1(6794,-313) ; 6784.33,-313.13 ccw(c6784.33,-303.33) v1@6791.26,-310.26 ; 6784.97,-313.13 cw(c6784.97,-322.03) v1@6791.26,-315.74
  Bottom Layer w10: v1(3425.2,196.85) 3431.85,196.85 3440.16,205.16 ; v1@3425.42,199.72 ccw(c3426.88,218.43) 3440.16,205.16 ; C194.2@3440.16,226.69 3440.16,205.16 ; v1@5694.92,-767.98 cw(c5694.92,-778.98) 5702.69,-771.2 ; v1@5695.39,-763.9 5726.53,-795.04 R6.1@5771.42,-795.04 ; C316.2@5729.12,-103.9 C316.2@5731.19,-105.97 ; v1@5798.64,174.74 ccw(c5791.63,181.75) 5801.54,181.75 ; v1@5801.54,179.27 R195.1@5801.54,200.33 ; C234.2@5860.45,307.15 v1(5885.64,307.15) ; v1(5912,78) 5940.02,78 C227.2@5948.39,69.63 ; v1@5920.97,331.97 cw(c5914.41,325.41) 5923.69,325.41 ; v1(5923,334) 5924,334 5923.69,333.68 C326.2@5923.69,304.11 ; v1@5941,-19 5959.89,-19 C233.2@5962.83,-21.94 ; C321.2@5960.71,142.23 5960.71,158.71 v1(5971,169) ; C229.2@5986.68,306.08 5986.68,333.68 v1(5987,334) ; v1(5987,51) 5987,57.61 C228.2@6001.46,72.07 ; v1@5989.87,51 cw(c6012.78,51) C228.2@5996.58,67.2 ; v1@6002.97,-22.03 cw(c5992.36,-32.64) C230.2@6007.36,-32.64 ; v1@6006.83,-20 v1(6005,-20) 6007.36,-22.36 C230.2@6007.36,-43.44 ; C320.2@6036.26,7.82 6064.08,-20 v1(6067,-20) ; v1(6050,334) 6050.38,333.62 C226.2@6050.38,305.49 ; 6057.11,-13.03 ccw(c6067,-3.13) v1@6067,-17.13 ; v1@6109.97,332.97 cw(c6103.27,326.27) 6112.74,326.27 ; v1(6112,335) 6112.74,334.26 C325.2@6112.74,306.2 ; v1@6202.97,332.97 cw(c6196.86,326.86) 6205.5,326.86 ; v1(6205,335) 6205.5,334.5 C224.2@6205.5,306.55 ; v1(6270,244) C231.2@6270,263.61 ; v1(6359,-33) 6359.37,-33.37 C232.2@6359.37,-61.32 ; v1(6647,77) 6647.86,76.14 R153.1@6675.08,76.14 ; v1@6649.03,79.03 ccw(c6656.01,86.01) 6656.01,76.14
  Bottom Layer w11.81: v1@1444.61,-152.61 ccw(c1433.32,-141.32) 1449.28,-141.32 ; v1@1449.28,-150.72 C347.2@1449.28,-122.91 C347.2@1449.28,-117 ; R178.1@1753.26,1107.65 1753.26,1085.46 1759.08,1079.64 C245.1@1791.36,1079.64 ; C310.1@1797.43,723.16 1849.53,723.16 1870.81,744.44 R204.1@1870.81,762.94 ; v2(4360.39,3.61) 4375.55,-11.55 R21.1@4375.55,-41.2 ; R76.1@4534.34,947.83 4534.34,976.07 4573.16,1014.89 v1@4603.77,1014.89 ; C328.2@4977.63,838.61 4995.87,838.61 5012.99,855.73 v2@5012.99,889.73 ; 5012.99,878 cw(c5035.2,878) v2@5019.5,893.7 ; v1@5062.43,-1313.49 C241.1@5062.43,-1289.01